# Altium PCB Diff_to_SingleEnded.PcbDoc (part 1 of 2) (continued)
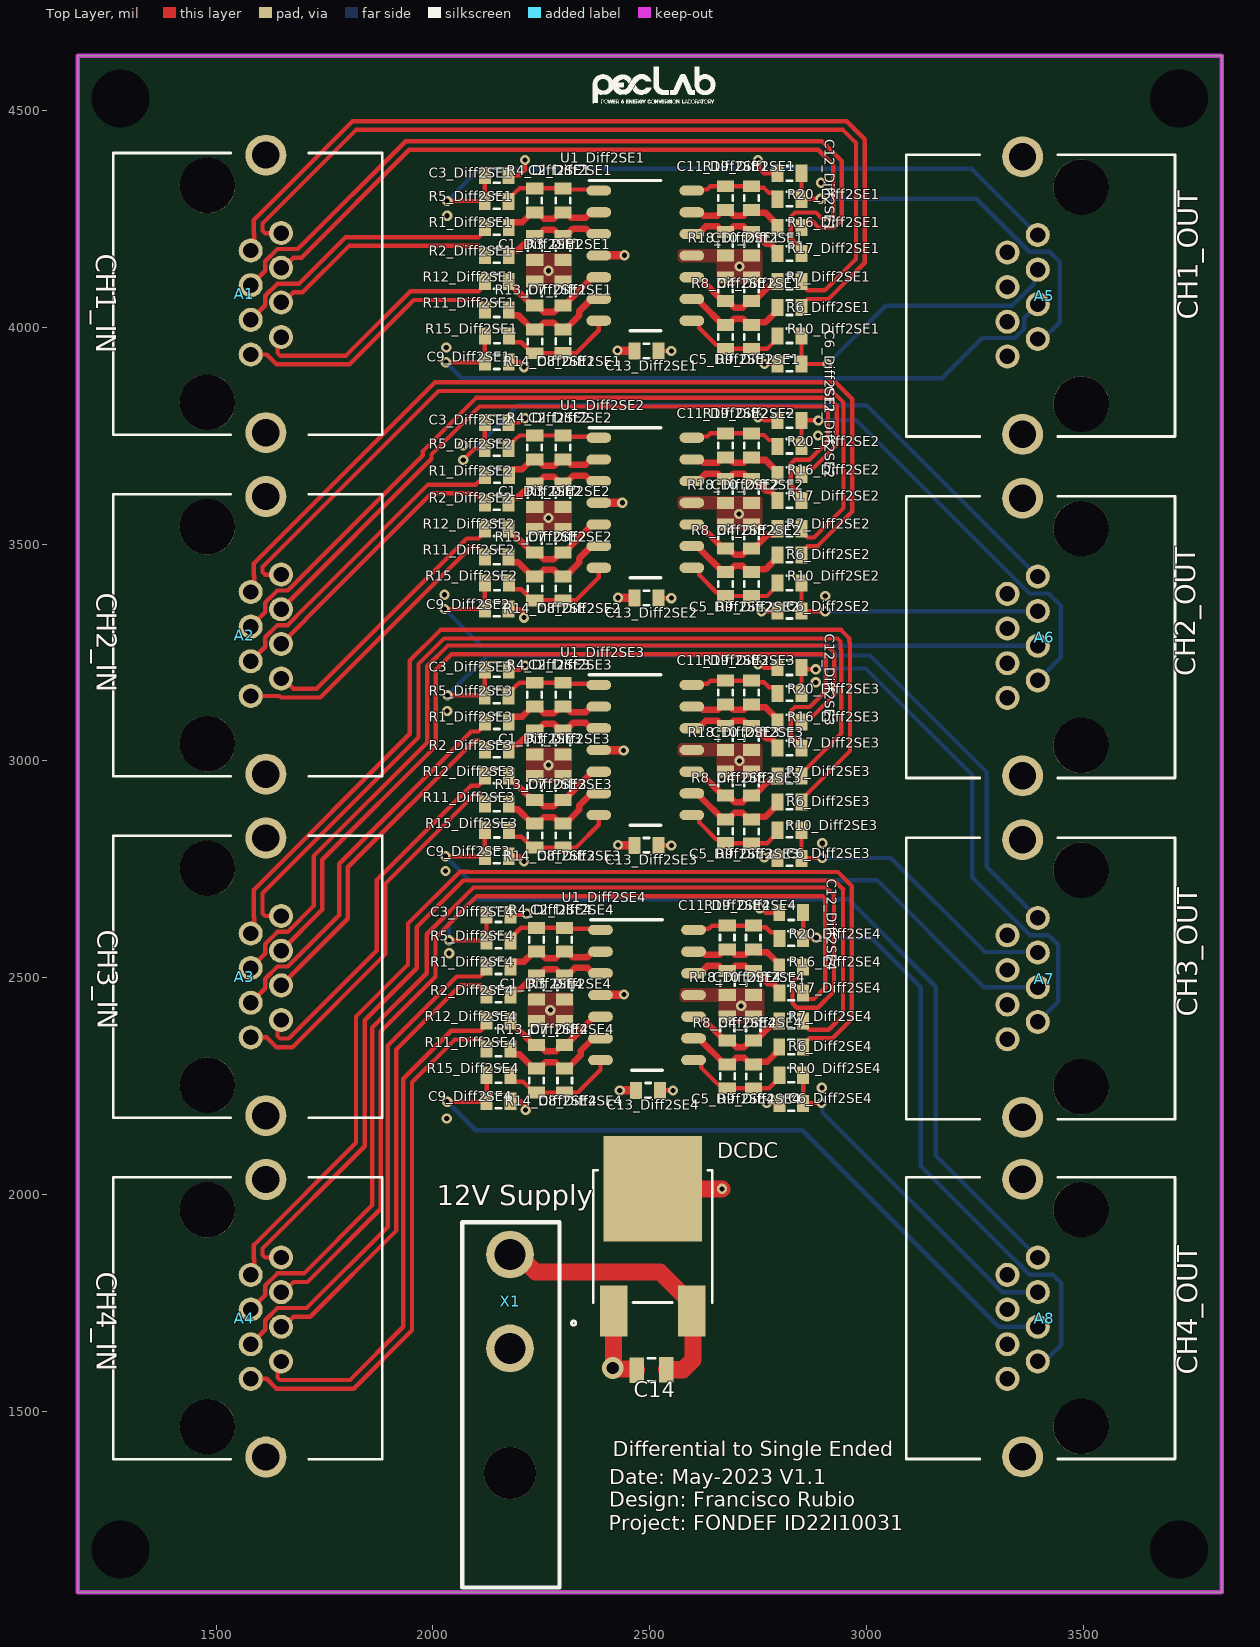
[diagram p0: Top Layer view]
## Classes and differential pairs (continued)
differential pair ADC_INA_1: +ADC_INA+_1 -ADC_INA-_1
differential pair CH4: +NetC10_Diff2SE1_1 -NetC11_Diff2SE1_1
differential pair CH3: +NetC8_Diff2SE1_1 -NetC7_Diff2SE1_1
differential pair CH2: +NetC5_Diff2SE1_1 -NetC4_Diff2SE1_1
differential pair CH1: +NetC1_Diff2SE1_1 -NetC2_Diff2SE1_1

## Components (designator, comment, footprint, x,y, rotation, side; value= is the part's Value field where it differs from the comment)
A1 "RJ-45 Modulo" RJ45_RJHSE5E80 1580,3937.01 r270 top
A2 "RJ-45 Modulo" RJ45_RJHSE5E80 1580,3149.61 r270 top
A3 "RJ-45 Modulo" RJ45_RJHSE5E80 1580,2362.2 r270 top
A4 "RJ-45 Modulo" RJ45_RJHSE5E80 1580,1574.8 r270 top
A5 "RJ-45 Modulo" RJ45_RJHSE5E80 3395,4212.6 r90 top
A6 "RJ-45 Modulo" RJ45_RJHSE5E80 3395,3425.2 r90 top
A7 "RJ-45 Modulo" RJ45_RJHSE5E80 3395,2637.8 r90 top
A8 "RJ-45 Modulo" RJ45_RJHSE5E80 3395,1854.8 r90 top
C1_Diff2SE1 "100nF" CAP_0603 2235,4210 r0 top (schematic designator C1)
C1_Diff2SE2 "100nF" CAP_0603 2235,3640.12 r0 top (schematic designator C1)
C1_Diff2SE3 "100nF" CAP_0603 2235,3070 r0 top (schematic designator C1)
C1_Diff2SE4 "100nF" CAP_0603 2239,2505 r0 top (schematic designator C1)
C2_Diff2SE1 "100nF" CAP_0603 2300,4264.88 r180 top (schematic designator C2)
C2_Diff2SE2 "100nF" CAP_0603 2300,3695 r180 top (schematic designator C2)
C2_Diff2SE3 "100nF" CAP_0603 2300,3124.88 r180 top (schematic designator C2)
C2_Diff2SE4 "100nF" CAP_0603 2304,2559.88 r180 top (schematic designator C2)
C3_Diff2SE1 "100nF" CAP_0603 2119.82,4349.94 r90 top (schematic designator C3)
C3_Diff2SE2 "100nF" CAP_0603 2119.88,3780.12 r90 top (schematic designator C3)
C3_Diff2SE3 "100nF" CAP_0603 2119.88,3210 r90 top (schematic designator C3)
C3_Diff2SE4 "100nF" CAP_0603 2123.88,2645 r90 top (schematic designator C3)
C4_Diff2SE1 "100nF" CAP_0603 2735,4060 r180 top (schematic designator C4)
C4_Diff2SE2 "100nF" CAP_0603 2735,3490.12 r180 top (schematic designator C4)
C4_Diff2SE3 "100nF" CAP_0603 2735,2920 r180 top (schematic designator C4)
C4_Diff2SE4 "100nF" CAP_0603 2739,2355 r180 top (schematic designator C4)
C5_Diff2SE1 "100nF" CAP_0603 2675,4005.12 r0 top (schematic designator C5)
C5_Diff2SE2 "100nF" CAP_0603 2675,3435.24 r0 top (schematic designator C5)
C5_Diff2SE3 "100nF" CAP_0603 2675,2865.12 r0 top (schematic designator C5)
C5_Diff2SE4 "100nF" CAP_0603 2679,2300.12 r0 top (schematic designator C5)
C6_Diff2SE1 "100nF" CAP_0603 2850,3915 r270 top (schematic designator C6)
C6_Diff2SE2 "100nF" CAP_0603 2850,3345.12 r270 top (schematic designator C6)
C6_Diff2SE3 "100nF" CAP_0603 2850,2775 r270 top (schematic designator C6)
C6_Diff2SE4 "100nF" CAP_0603 2854.06,2210.06 r270 top (schematic designator C6)
C7_Diff2SE1 "100nF" CAP_0603 2300,4049.88 r180 top (schematic designator C7)
C7_Diff2SE2 "100nF" CAP_0603 2300,3480 r180 top (schematic designator C7)
C7_Diff2SE3 "100nF" CAP_0603 2300,2909.88 r180 top (schematic designator C7)
C7_Diff2SE4 "100nF" CAP_0603 2304,2344.88 r180 top (schematic designator C7)
C8_Diff2SE1 "100nF" CAP_0603 2300,3995.12 r0 top (schematic designator C8)
C8_Diff2SE2 "100nF" CAP_0603 2300,3425.24 r0 top (schematic designator C8)
C8_Diff2SE3 "100nF" CAP_0603 2300,2855.12 r0 top (schematic designator C8)
C8_Diff2SE4 "100nF" CAP_0603 2304,2290.12 r0 top (schematic designator C8)
C9_Diff2SE1 "100nF" CAP_0603 2119.88,3920 r90 top (schematic designator C9)
C9_Diff2SE2 "100nF" CAP_0603 2119.88,3350.12 r90 top (schematic designator C9)
C9_Diff2SE3 "100nF" CAP_0603 2119.88,2780 r90 top (schematic designator C9)
C9_Diff2SE4 "100nF" CAP_0603 2123.88,2215 r90 top (schematic designator C9)
C10_Diff2SE1 "100nF" CAP_0603 2735,4220 r0 top (schematic designator C10)
C10_Diff2SE2 "100nF" CAP_0603 2735,3650.12 r0 top (schematic designator C10)
C10_Diff2SE3 "100nF" CAP_0603 2735,3080 r0 top (schematic designator C10)
C10_Diff2SE4 "100nF" CAP_0603 2739,2515 r0 top (schematic designator C10)
C11_Diff2SE1 "100nF" CAP_0603 2675,4269.88 r180 top (schematic designator C11)
C11_Diff2SE2 "100nF" CAP_0603 2675,3700 r180 top (schematic designator C11)
C11_Diff2SE3 "100nF" CAP_0603 2675,3129.88 r180 top (schematic designator C11)
C11_Diff2SE4 "100nF" CAP_0603 2679,2564.88 r180 top (schematic designator C11)
C12_Diff2SE1 "100nF" CAP_0603 2850,4355 r270 top (schematic designator C12)
C12_Diff2SE2 "100nF" CAP_0603 2850,3785.12 r270 top (schematic designator C12)
C12_Diff2SE3 "100nF" CAP_0603 2850,3215 r270 top (schematic designator C12)
C12_Diff2SE4 "100nF" CAP_0603 2854,2650 r270 top (schematic designator C12)
C13_Diff2SE1 "100nF" CAP_0603 2465,3945 r90 top (schematic designator C13)
C13_Diff2SE2 "100nF" CAP_0603 2465,3375.12 r90 top (schematic designator C13)
C13_Diff2SE3 "100nF" CAP_0603 2465,2805 r90 top (schematic designator C13)
C13_Diff2SE4 "100nF" CAP_0603 2469,2240 r90 top (schematic designator C13)
C14 "100nF" CAP_0805 2538.5,1595.79 r270 top
DCDC "NCP1117DT50G" DPAK_ONS 2507,1903.5 r0 top
R1_Diff2SE1 "10k" RES_0603 2119.88,4230 r90 top (schematic designator R1)
R1_Diff2SE2 "10k" RES_0603 2120,3658 r90 top (schematic designator R1)
R1_Diff2SE3 "10k" RES_0603 2119.88,3090 r90 top (schematic designator R1)
R1_Diff2SE4 "10k" RES_0603 2123.88,2525 r90 top (schematic designator R1)
R2_Diff2SE1 "10k" RES_0603 2119.88,4165 r90 top (schematic designator R2)
R2_Diff2SE2 "10k" RES_0603 2119.88,3595.12 r90 top (schematic designator R2)
R2_Diff2SE3 "10k" RES_0603 2119.88,3025 r90 top (schematic designator R2)
R2_Diff2SE4 "10k" RES_0603 2123.88,2460 r90 top (schematic designator R2)
R3_Diff2SE1 "10k" RES_0603 2300,4210 r0 top (schematic designator R3)
R3_Diff2SE2 "10k" RES_0603 2300,3640.12 r0 top (schematic designator R3)
R3_Diff2SE3 "10k" RES_0603 2300,3070 r0 top (schematic designator R3)
R3_Diff2SE4 "10k" RES_0603 2304,2505 r0 top (schematic designator R3)
R4_Diff2SE1 "10k" RES_0603 2235,4264.88 r180 top (schematic designator R4)
R4_Diff2SE2 "10k" RES_0603 2235,3695 r180 top (schematic designator R4)
R4_Diff2SE3 "10k" RES_0603 2235,3124.88 r180 top (schematic designator R4)
R4_Diff2SE4 "10k" RES_0603 2239,2559.88 r180 top (schematic designator R4)
R5_Diff2SE1 "10k" RES_0603 2174.88,4290 r270 top (schematic designator R5)
R5_Diff2SE2 "10k" RES_0603 2174.88,3720.12 r270 top (schematic designator R5)
R5_Diff2SE3 "10k" RES_0603 2174.88,3150 r270 top (schematic designator R5)
R5_Diff2SE4 "10k" RES_0603 2178.88,2585 r270 top (schematic designator R5)
R6_Diff2SE1 "10k" RES_0603 2850,4045 r270 top (schematic designator R6)
R6_Diff2SE2 "10k" RES_0603 2850,3475.12 r270 top (schematic designator R6)
R6_Diff2SE3 "10k" RES_0603 2850,2905 r270 top (schematic designator R6)
R6_Diff2SE4 "10k" RES_0603 2854,2340 r270 top (schematic designator R6)
R7_Diff2SE1 "10k" RES_0603 2850,4105 r270 top (schematic designator R7)
R7_Diff2SE2 "10k" RES_0603 2850,3535.12 r270 top (schematic designator R7)
R7_Diff2SE3 "10k" RES_0603 2850,2965 r270 top (schematic designator R7)
R7_Diff2SE4 "10k" RES_0603 2854,2400 r270 top (schematic designator R7)
R8_Diff2SE1 "10k" RES_0603 2675,4060 r180 top (schematic designator R8)
R8_Diff2SE2 "10k" RES_0603 2675,3490.12 r180 top (schematic designator R8)
R8_Diff2SE3 "10k" RES_0603 2675,2920 r180 top (schematic designator R8)
R8_Diff2SE4 "10k" RES_0603 2679,2355 r180 top (schematic designator R8)
R9_Diff2SE1 "10k" RES_0603 2735,4005 r0 top (schematic designator R9)
R9_Diff2SE2 "10k" RES_0603 2735,3435.12 r0 top (schematic designator R9)
R9_Diff2SE3 "10k" RES_0603 2735,2865 r0 top (schematic designator R9)
R9_Diff2SE4 "10k" RES_0603 2739,2300 r0 top (schematic designator R9)
R10_Diff2SE1 "10k" RES_0603 2795,3980 r90 top (schematic designator R10)
R10_Diff2SE2 "10k" RES_0603 2795,3410.12 r90 top (schematic designator R10)
R10_Diff2SE3 "10k" RES_0603 2795,2840 r90 top (schematic designator R10)
R10_Diff2SE4 "10k" RES_0603 2799,2275 r90 top (schematic designator R10)
R11_Diff2SE1 "10k" RES_0603 2119.88,4040 r90 top (schematic designator R11)
R11_Diff2SE2 "10k" RES_0603 2119.88,3470.12 r90 top (schematic designator R11)
R11_Diff2SE3 "10k" RES_0603 2119.88,2900 r90 top (schematic designator R11)
R11_Diff2SE4 "10k" RES_0603 2123.88,2335 r90 top (schematic designator R11)
R12_Diff2SE1 "10k" RES_0603 2119.88,4105 r90 top (schematic designator R12)
R12_Diff2SE2 "10k" RES_0603 2119.88,3535.12 r90 top (schematic designator R12)
R12_Diff2SE3 "10k" RES_0603 2119.88,2965 r90 top (schematic designator R12)
R12_Diff2SE4 "10k" RES_0603 2123.88,2400 r90 top (schematic designator R12)
R13_Diff2SE1 "10k" RES_0603 2235,4049.88 r180 top (schematic designator R13)
R13_Diff2SE2 "10k" RES_0603 2235,3480 r180 top (schematic designator R13)
R13_Diff2SE3 "10k" RES_0603 2235,2909.88 r180 top (schematic designator R13)
R13_Diff2SE4 "10k" RES_0603 2239,2344.88 r180 top (schematic designator R13)
R14_Diff2SE1 "10k" RES_0603 2235,3995 r0 top (schematic designator R14)
R14_Diff2SE2 "10k" RES_0603 2235,3425.12 r0 top (schematic designator R14)
R14_Diff2SE3 "10k" RES_0603 2235.06,2855.06 r0 top (schematic designator R14)
R14_Diff2SE4 "10k" RES_0603 2239,2290 r0 top (schematic designator R14)
R15_Diff2SE1 "10k" RES_0603 2175.12,3980 r270 top (schematic designator R15)
R15_Diff2SE2 "10k" RES_0603 2175.12,3410.12 r270 top (schematic designator R15)
R15_Diff2SE3 "10k" RES_0603 2175.12,2840 r270 top (schematic designator R15)
R15_Diff2SE4 "10k" RES_0603 2179.12,2275 r270 top (schematic designator R15)
R16_Diff2SE1 "10k" RES_0603 2850,4230 r270 top (schematic designator R16)
R16_Diff2SE2 "10k" RES_0603 2850,3660.12 r270 top (schematic designator R16)
R16_Diff2SE3 "10k" RES_0603 2850,3090 r270 top (schematic designator R16)
R16_Diff2SE4 "10k" RES_0603 2854,2525 r270 top (schematic designator R16)
R17_Diff2SE1 "10k" RES_0603 2850.12,4170 r270 top (schematic designator R17)
R17_Diff2SE2 "10k" RES_0603 2850.12,3600.12 r270 top (schematic designator R17)
R17_Diff2SE3 "10k" RES_0603 2850.12,3030 r270 top (schematic designator R17)
R17_Diff2SE4 "10k" RES_0603 2854.12,2465 r270 top (schematic designator R17)
R18_Diff2SE1 "10k" RES_0603 2675,4220 r0 top (schematic designator R18)
R18_Diff2SE2 "10k" RES_0603 2675,3650.12 r0 top (schematic designator R18)
R18_Diff2SE3 "10k" RES_0603 2675,3080 r0 top (schematic designator R18)
R18_Diff2SE4 "10k" RES_0603 2679,2515 r0 top (schematic designator R18)
R19_Diff2SE1 "10k" RES_0603 2735,4269.88 r180 top (schematic designator R19)
R19_Diff2SE2 "10k" RES_0603 2735,3700 r180 top (schematic designator R19)
R19_Diff2SE3 "10k" RES_0603 2735,3129.88 r180 top (schematic designator R19)
R19_Diff2SE4 "10k" RES_0603 2739,2564.88 r180 top (schematic designator R19)
R20_Diff2SE1 "10k" RES_0603 2795,4295 r90 top (schematic designator R20)
R20_Diff2SE2 "10k" RES_0603 2795,3725.12 r90 top (schematic designator R20)
R20_Diff2SE3 "10k" RES_0603 2795,3155 r90 top (schematic designator R20)
R20_Diff2SE4 "10k" RES_0603 2799,2590 r90 top (schematic designator R20)
U1_Diff2SE1 "TLV9064IDR" D0014A_N 2490,4165 r0 top (schematic designator U1)
U1_Diff2SE2 "TLV9064IDR" D0014A_N 2490,3595.12 r0 top (schematic designator U1)
U1_Diff2SE3 "TLV9064IDR" D0014A_N 2490,3025 r0 top (schematic designator U1)
U1_Diff2SE4 "TLV9064IDR" D0014A_N 2494,2460 r0 top (schematic designator U1)
X1 "Connector 2x1 R/A" CON_WR-MPC4-649002227222 2178,1861.54 r0 top

## Footprints (in the part's own frame and the unit in brackets; to place one, negate y for a bottom-side part, rotate by r counter-clockwise, add the part's x,y. Pads: shape width x height; smd on the part's side, far side on the other; paste and mask are expansions set on the pad)
CAP_0603 [mm] "CAP CER 0603"
  rect 1x0.7 smd: 1(0,0) 2(0,-1.4)
  silkscreen extent -0.42,-0.86 0.43,-0.54, body extent -0.4,-1.49 0.4,0.11, height 0.3
CAP_0805 [mm] "CAP CER 0805"
  rect 1.5x0.85 smd: 1(0,0) 2(0.02,-1.74)
  silkscreen extent -0.67,-1.08 0.67,-0.64, body extent -0.63,-1.89 0.62,0.11, height 0.78
CON_WR-MPC4-649002227222 [mm] "CONN HEADER R/A 2POS 4.2MM"
  round 2.8 hole 1.8: 1(0,0) 2(0,-5.5)
  silkscreen extent -2.8,-19.5 2.9,1.9, body extent -2.8,-19.47 2.9,0.5, height 11.4
D0014A_N [mm]
  oval 1.45x0.6 smd paste+0 mask+0: 1(-2.725,3.81) 2(-2.725,2.54) 3(-2.725,1.27) 4(-2.725,0) 5(-2.725,-1.27) 6(-2.725,-2.54) 7(-2.725,-3.81) 8(2.725,-3.81) 9(2.725,-2.54) 10(2.725,-1.27) 11(2.725,0) 12(2.725,1.27) 13(2.725,2.54) 14(2.725,3.81)
  silkscreen extent -3.3,-4.4 0.9,4.4, body extent -3.03,-4.35 2.97,4.3, height 1.75
DPAK_ONS [mil]
  rect 63x118 smd paste-59 mask-59: 1(-90,-172.5) 3(90,-172.5)
  rect 228x244 smd paste-122 mask-122: 2(0,109.5)
  silkscreen extent -187,-205 138,152, body extent -128,-196 128,194, height 94
RES_0603 [mm] "RES 0603"
  rect 1x0.7 smd: 1(0,0) 2(0,-1.4)
  silkscreen extent -0.42,-0.86 0.43,-0.54, body extent -0.39,-1.49 0.41,0.11, height 0.45
RJ45_RJHSE5E80 [mm] "Modulo RJ-45 RJHSE5E80"
  round 1.408 hole 0.9: 1(0,0) 2(-1.02,1.78) 3(-2.03,0) 4(-3.05,1.78) 5(-4.06,0) 6(-5.08,1.78) 7(-6.09,0) 8(-7.11,1.78)
  round 2.4 hole 1.6: ""(-11.68,0.89) ""(4.58,0.89)
  round 3.25 hole 3.25 unplated: ""(-9.9,-2.54) ""(2.8,-2.54)
  silkscreen extent -11.81,-8.04 4.7,7.71, body extent -11.95,-8.24 4.88,7.96, height 14.77

## Part data
A1 A2 A3 A4 A5 A6 A7 A8: library part RJ45_RJHSE5E80, "Modulo RJ-45 RJHSE5E80", Color=Black, Current Rating=1.5A, Flammability Rating="UL94 V-0", Insulation Resistance=500MR, Manufacturer="Amphenol Commercial", Manufacturer Part Number=RJHSE5E80, Manufacturer Part-Number=1-338088-3, Max Operating Temperature=85°C, Min Operating Temperature=-55°C, Package Quantity=120, Supplier Part Number 1=RJHSE5E80-ND, Voltage Rating=125V, ComponentLink1Description=http://www.mouser.com/ds/2/18/Amphenol_RJHSE_BRO-311217.pdf?src-supplier=Mouser, ComponentLink1URL=http://www.mouser.com/ds/2/18/Amphenol_RJHSE_BRO-311217.pdf?src-supplier=Mouser, ComponentLink2Description=https://media.digikey.com/pdf/Data%20Sheets/Amphenol%20PDFs/RJHSE5E8x_Dwg.pdf?src-supplier=Digi-Key, ComponentLink2URL=https://media.digikey.com/pdf/Data%20Sheets/Amphenol%20PDFs/RJHSE5E8x_Dwg.pdf?src-supplier=Digi-Key, Connector Type=Jack, Contact Material=Bronze, Contact Plating=Gold, Digikey Part-Number=A99306CT-ND, Direction=Up, Gender=Female, Housing Material=Thermoplastic, LatestRevisionDate=17-Jul-2002, LatestRevisionNote="Re-released for DXP Platform.", Mount="Through Hole", Number of Contacts=8, Number of Ports=1, Number of Positions=8, Number of Rows=1, Orientation="Right Angle", Packaging=Tray, Pitch=2.03mm, Pricing 1="1=1.28, 10=1.125, 25=1.0584, 50=1.0144, 100=0.9702, 250=0.882, 500=0.7938, 1000=0.7056, 2500=0.63945 (USD)", Publisher="Altium Limited", Shielding=Shielded, Stock 1=16396, Supplier 1=Digi-Key, Termination=Solder
C1_Diff2SE1 C1_Diff2SE2 C1_Diff2SE3 C1_Diff2SE4 C2_Diff2SE1 C2_Diff2SE2 C2_Diff2SE3 C2_Diff2SE4 C3_Diff2SE1 C3_Diff2SE2 C3_Diff2SE3 C3_Diff2SE4 C4_Diff2SE1 C4_Diff2SE2 C4_Diff2SE3 C4_Diff2SE4 C5_Diff2SE1 C5_Diff2SE2 C5_Diff2SE3 C5_Diff2SE4 C6_Diff2SE1 C6_Diff2SE2 C6_Diff2SE3 C6_Diff2SE4 C7_Diff2SE1 C7_Diff2SE2 C7_Diff2SE3 C7_Diff2SE4 C8_Diff2SE1 C8_Diff2SE2 C8_Diff2SE3 C8_Diff2SE4 C9_Diff2SE1 C9_Diff2SE2 C9_Diff2SE3 C9_Diff2SE4 C10_Diff2SE1 C10_Diff2SE2 C10_Diff2SE3 C10_Diff2SE4 C11_Diff2SE1 C11_Diff2SE2 C11_Diff2SE3 C11_Diff2SE4 C12_Diff2SE1 C12_Diff2SE2 C12_Diff2SE3 C12_Diff2SE4 C13_Diff2SE1 C13_Diff2SE2 C13_Diff2SE3 C13_Diff2SE4: library part Cap_0603, "0.1µF ±10% 50V Ceramic Capacitor X7R 0603 (1608 Metric)", Package=0603, Supplier Part Number 1=399-5089-1-ND, Created=2020_06_15_DAarancibia, MF=KEMET, MFP=C0603C104K5RACTU, Supplier 1=Digi-Key
C14: library part Cap_0805, "0.1µF ±10% 50V Ceramic Capacitor X7R 0805 (2012 Metric)", Package=0805, Supplier Part Number 1=399-1170-1-ND, Created=2020_06_15_DAarancibia, MF=KEMET, MFP=C0805C104K5RACTU, Supplier 1=Digi-Key
DCDC: "No Description Available", Mfr_Name=onsemi, RefDes=RefDes, Type=Type
R1_Diff2SE1 R1_Diff2SE2 R1_Diff2SE3 R1_Diff2SE4 R2_Diff2SE1 R2_Diff2SE2 R2_Diff2SE3 R2_Diff2SE4 R3_Diff2SE1 R3_Diff2SE2 R3_Diff2SE3 R3_Diff2SE4 R4_Diff2SE1 R4_Diff2SE2 R4_Diff2SE3 R4_Diff2SE4 R5_Diff2SE1 R5_Diff2SE2 R5_Diff2SE3 R5_Diff2SE4 R6_Diff2SE1 R6_Diff2SE2 R6_Diff2SE3 R6_Diff2SE4 R7_Diff2SE1 R7_Diff2SE2 R7_Diff2SE3 R7_Diff2SE4 R8_Diff2SE1 R8_Diff2SE2 R8_Diff2SE3 R8_Diff2SE4 R9_Diff2SE1 R9_Diff2SE2 R9_Diff2SE3 R9_Diff2SE4 R10_Diff2SE1 R10_Diff2SE2 R10_Diff2SE3 R10_Diff2SE4 R11_Diff2SE1 R11_Diff2SE2 R11_Diff2SE3 R11_Diff2SE4 R12_Diff2SE1 R12_Diff2SE2 R12_Diff2SE3 R12_Diff2SE4 R13_Diff2SE1 R13_Diff2SE2 R13_Diff2SE3 R13_Diff2SE4 R14_Diff2SE1 R14_Diff2SE2 R14_Diff2SE3 R14_Diff2SE4 R15_Diff2SE1 R15_Diff2SE2 R15_Diff2SE3 R15_Diff2SE4 R16_Diff2SE1 R16_Diff2SE2 R16_Diff2SE3 R16_Diff2SE4 R17_Diff2SE1 R17_Diff2SE2 R17_Diff2SE3 R17_Diff2SE4 R18_Diff2SE1 R18_Diff2SE2 R18_Diff2SE3 R18_Diff2SE4 R19_Diff2SE1 R19_Diff2SE2 R19_Diff2SE3 R19_Diff2SE4 R20_Diff2SE1 R20_Diff2SE2 R20_Diff2SE3 R20_Diff2SE4: library part Res_0603, "10 kOhms ±1% 0.1W, 1/10W Chip Resistor 0402 (1005 Metric) Anti-Sulfur, Automotive AEC-Q200 Thick Film", Package=0603, Supplier Part Number 1=P10.0KHCT-ND, Created=2020_06_15_DAarancibia, MF="Panasonic Electronic Components", MFP=ERJ-3EKF1002V, Supplier 1=Digi-Key
U1_Diff2SE1 U1_Diff2SE2 U1_Diff2SE3 U1_Diff2SE4: "No Description Available", Mfr_Name="Texas Instruments", RefDes=RefDes, Type=TYPE
X1: library part Con_WR-MPC4_2x1, "Connector Header Through Hole, Right Angle 2 position 0.165\" (4.20mm)", MPN=649002227222, Package="Through Hole, pitch 0.165\" (4.20mm)", Supplier Part Number 1=732-1937-ND, Created=2020_06_14_DArancibia, MF="Würth Elektronik", Supplier 1=Digi-Key

## Free pads (board coordinates)
  round 60 hole 133.86: 1(1279.53,1181.1) 1(1279.53,4527.56) 1(3720.47,1181.1) 1(3720.47,4527.56)

## Via types
v1: diameter 23.62, hole 11.81, Top Layer to Bottom Layer, 67 vias
v2: diameter 50, hole 28, Top Layer to Bottom Layer, 1 vias
v3: diameter 120.08, hole 120.08, Top Layer to Bottom Layer, 1 vias

## Nets (pads, with @x,y where several pads share a name; then routed paths per layer and width w, separated by ;. In a path a pad name is that pad's centre, name@x,y a point inside that pad or via, vN(x,y) a via of type N, cw(c..) or ccw(c..) an arc to the next point about the centre after c; other vN are vias at no path point)
5V: C13_Diff2SE1.1 C13_Diff2SE2.1 C13_Diff2SE3.1 C13_Diff2SE4.1 DCDC.2 U1_Diff2SE1.4 U1_Diff2SE2.4 U1_Diff2SE3.4 U1_Diff2SE4.4 | length 540.6
  Top Layer w19.68: U1_Diff2SE3.4@2382.72,3025 2383.22,3024.5 2439.5,3024.5 v1(2440,3024) ; U1_Diff2SE2.4@2382.72,3595.12 2382.78,3595.06 2436.94,3595.06 v1(2437,3595) ; U1_Diff2SE1.4@2382.72,4165 2383.22,4165.5 2441.5,4165.5 v1(2442,4166) ; U1_Diff2SE4.4@2386.72,2460 2387.22,2460.5 2440.5,2460.5 v1(2441,2461) ; v1(2426,3946) 2426.5,3945.5 2464.5,3945.5 C13_Diff2SE1.1@2465,3945 ; v1(2427,2806) 2427.5,2805.5 2464.5,2805.5 C13_Diff2SE3.1@2465,2805 ; v1(2427,3376) 2427.44,3375.56 2464.56,3375.56 C13_Diff2SE2.1@2465,3375.12 ; v1(2431,2240) C13_Diff2SE4.1@2469,2240
  Top Layer w39.37: DCDC.2@2507,2013 v1(2667,2013)
12V: C14.1 DCDC.3 X1.1 | length 667.5
  Top Layer w39.37: X1.1@2178,1861.54 2195.96,1861.54 2236.5,1821 2524,1821 2600,1745 2600,1717.5 2600,1618.85 2576.94,1595.79 C14.1@2538.5,1595.79
ADC_INA+_1: A1.1 R11_Diff2SE1.1 | length 624.5
  Top Layer w10: A1.1@1580,3937.01 1580.07,3937.08 1616.86,3937.08 1639.49,3914.45 1808.09,3914.45 1956.14,4062.5 2105.24,4062.5 2111.1,4056.64 2111.1,4048.78 R11_Diff2SE1.1@2119.88,4040
ADC_INA+_2: A2.1 R11_Diff2SE2.1 | length 698.7
  Top Layer w10: A2.1@1580,3149.61 1580.07,3149.68 1646.38,3149.68 1649.83,3146.22 1740.21,3146.22 2086.61,3492.62 2105.24,3492.62 2111.1,3486.76 2111.1,3478.9 R11_Diff2SE2.1@2119.88,3470.12
ADC_INA+_3: A3.1 R11_Diff2SE3.1 | length 899.9
  Top Layer w10: A3.1@1580,2362.2 1580.07,2362.27 1616.86,2362.27 1639.49,2339.65 1676.06,2339.65 1890.81,2554.4 1890.81,2717.03 2096.28,2922.5 2105.24,2922.5 2111.1,2916.64 2111.1,2908.78 R11_Diff2SE3.1@2119.88,2900
ADC_INA+_4: A4.1 R11_Diff2SE4.1 | length 1235.8
  Top Layer w10: A4.1@1580,1574.8 1580.07,1574.87 1616.86,1574.87 1639.49,1552.24 1817.53,1552.24 1952,1686.72 1952,2258.72 2050.78,2357.5 2109.24,2357.5 2115.1,2351.64 2115.1,2343.78 R11_Diff2SE4.1@2123.88,2335
ADC_INA-_1: A1.2 R12_Diff2SE1.1 | length 595.9
  Top Layer w10: A1.2@1650.08,3977.17 1641.91,3969 1641.91,3940.31 1647.77,3934.45 1799.8,3934.45 1947.85,4082.5 2105.24,4082.5 2111.1,4088.36 2111.1,4096.22 R12_Diff2SE1.1@2119.88,4105
ADC_INA-_2: A2.2 R12_Diff2SE2.1 | length 637
  Top Layer w10: A2.2@1650.08,3189.76 1655.11,3189.76 1678.65,3166.22 1731.93,3166.22 2078.32,3512.62 2105.24,3512.62 2111.1,3518.48 2111.1,3526.34 R12_Diff2SE2.1@2119.88,3535.12
ADC_INA-_3: A3.2 R12_Diff2SE3.1 | length 871.3
  Top Layer w10: A3.2@1650.08,2402.36 1641.91,2394.2 1641.91,2365.5 1647.77,2359.65 1667.77,2359.65 1870.81,2562.69 1870.81,2725.32 2087.99,2942.5 2105.24,2942.5 2111.1,2948.36 2111.1,2956.22 R12_Diff2SE3.1@2119.88,2965
ADC_INA-_4: A4.2 R12_Diff2SE4.1 | length 1208.2
  Top Layer w10: A4.2@1650.08,1614.96 1641.91,1606.8 1641.91,1578.1 1647.77,1572.24 1809.24,1572.24 1932,1695 1932,2267 2042.5,2377.5 ; 2041.5,2377.5 2109.24,2377.5 2115.1,2383.36 2115.1,2391.22 R12_Diff2SE4.1@2123.88,2400
ADC_INB+_1: A1.3 R1_Diff2SE1.1 | length 645.6
  Top Layer w10: A1.3@1580,4016.93 1613.43,4050.35 1613.43,4072.27 1641.51,4100.35 1691.35,4100.35 1798.5,4207.5 2105.24,4207.5 2111.1,4213.36 2111.1,4221.22 R1_Diff2SE1.1@2119.88,4230
ADC_INB+_2: A2.3 R1_Diff2SE2.1 | length 734.1
  Top Layer w10: A2.3@1580,3229.53 1613.43,3262.95 1613.43,3284.87 1641.51,3312.95 1665.26,3312.95 1686.73,3334.42 1686.73,3335.02 1988.72,3637 2099,3637 2105.31,3643.32 2111.22,3643.32 2120,3652.09 R1_Diff2SE2.1@2120,3658
ADC_INB+_3: A3.3 R1_Diff2SE3.1 | length 895.1
  Top Layer w10: A3.3@1580,2442.13 1613.43,2475.55 1613.43,2497.47 1641.51,2525.55 1665.26,2525.55 1784,2644.29 1784,2762.82 2088.68,3067.5 2105.24,3067.5 2111.1,3073.36 2111.1,3081.22 R1_Diff2SE3.1@2119.88,3090
ADC_INB+_4: A4.3 R1_Diff2SE4.1 | length 1166.7
  Top Layer w10: A4.3@1580,1654.72 1613.43,1688.15 1613.43,1710.06 1641.51,1738.15 1708.87,1738.15 1896,1925.28 1896,2343.28 2055.22,2502.5 2109.24,2502.5 2115.1,2508.36 2115.1,2516.22 R1_Diff2SE4.1@2123.88,2525
ADC_INB-_1: A1.4 R2_Diff2SE1.1 | length 537.7
  Top Layer w10: A1.4@1650.08,4057.09 1655.39,4057.09 1678.65,4080.35 1699.64,4080.35 1806.78,4187.5 2105.24,4187.5 2111.1,4181.64 2111.1,4173.78 R2_Diff2SE1.1@2119.88,4165
ADC_INB-_2: A2.4 R2_Diff2SE2.1 | length 626.5
  Top Layer w10: A2.4@1650.08,3269.69 1650.28,3269.69 1706.73,3326.14 1706.73,3326.73 1997,3617 2098,3617 2105.2,3609.8 2111.1,3609.8 2119.88,3601.02 R2_Diff2SE2.1@2119.88,3595.12
ADC_INB-_3: A3.4 R2_Diff2SE3.1 | length 787.3
  Top Layer w10: A3.4@1650.08,2482.28 1650.28,2482.28 1804,2636.01 1804,2754.54 2096.96,3047.5 2105.24,3047.5 2111.1,3041.64 2111.1,3033.78 R2_Diff2SE3.1@2119.88,3025
ADC_INB-_4: A4.4 R2_Diff2SE4.1 | length 1058.8
  Top Layer w10: A4.4@1650.08,1694.88 1655.39,1694.88 1678.65,1718.15 1717.15,1718.15 1916,1917 1916,2335 2063.5,2482.5 2109.24,2482.5 2115.1,2476.64 2115.1,2468.78 R2_Diff2SE4.1@2123.88,2460
ADC_INC+_1: A1.5 R16_Diff2SE1.1 | length 1783.4
  Top Layer w10: A1.5@1580,4096.85 1613.43,4130.28 1613.43,4152.19 1641.51,4180.28 1688.67,4180.28 1937.39,4429 2897.28,4429 2943,4383.28 2943,4247.57 2925.43,4230 2889.3,4230 2874.98,4244.32 2858.78,4244.32 2850,4235.54 R16_Diff2SE1.1@2850,4230
ADC_INC+_2: A2.5 R16_Diff2SE2.1 | length 1798.9
  Top Layer w10: A2.5@1580,3309.45 1613.43,3342.87 1613.43,3364.79 1641.51,3392.87 1665.26,3392.87 1977.08,3704.69 1977.08,3714.62 2099.46,3837 2913.49,3837 2931.06,3819.43 2931.06,3728.76 2876.74,3674.43 2858.78,3674.43 2850,3665.65 R16_Diff2SE2.1@2850,3660.12
ADC_INC+_3: A3.5 R16_Diff2SE3.1 | length 2045.7
  Top Layer w10: A3.5@1580,2522.05 1613.43,2555.47 1613.43,2577.39 1641.51,2605.47 1665.26,2605.47 1725,2665.21 1725,2780.28 1987,3042.28 1987,3218.28 2034.72,3266 2908.43,3266 2926,3248.43 2926,3152.72 2877.6,3104.32 2858.78,3104.32 2850,3095.54 R16_Diff2SE3.1@2850,3090
ADC_INC+_4: A4.5 R16_Diff2SE4.1 | length 2492.6
  Top Layer w10: A4.5@1580,1734.65 1613.43,1768.07 1613.43,1789.99 1641.51,1818.07 1702.79,1818.07 1860,1975.28 1860,2384.28 1986,2510.28 1986,2600.28 2093.72,2708 2907.43,2708 2925,2690.43 2925,2468.3 2887.39,2430.69 2839.41,2430.69 2829.34,2440.76 2829.34,2489.24 2845.22,2505.12 2845.22,2516.22 R16_Diff2SE4.1@2854,2525
ADC_INC-_1: A1.6 R17_Diff2SE1.1 | length 1723.7
  Top Layer w10: A1.6@1650.08,4137.01 1655.39,4137.01 1678.65,4160.28 1696.95,4160.28 1945.68,4409 2889,4409 2923,4375 2923,4255.86 2917.14,4250 2897.58,4250 2883.27,4264.32 2835.29,4264.32 2825.22,4254.24 2825.22,4205.76 2841.34,4189.64 2841.34,4178.78 R17_Diff2SE1.1@2850.12,4170
ADC_INC-_2: A2.6 R17_Diff2SE2.1 | length 1739.1
  Top Layer w10: A2.6@1650.08,3349.61 1650.28,3349.61 1997.08,3696.41 1997.08,3706.34 2107.74,3817 2905.21,3817 2911.06,3811.14 2911.06,3737.04 2868.45,3694.43 2835.29,3694.43 2825.22,3684.36 2825.22,3635.88 2841.34,3619.76 2841.34,3608.9 R17_Diff2SE2.1@2850.12,3600.12
ADC_INC-_3: A3.6 R17_Diff2SE3.1 | length 1985.9
  Top Layer w10: A3.6@1650.08,2562.2 1650.28,2562.2 1745,2656.93 1745,2772 2007,3034 2007,3210 2043,3246 2900.14,3246 2906,3240.14 2906,3161 2869.32,3124.32 2835.29,3124.32 2825.22,3114.24 2825.22,3060.8 2850.12,3035.91 R17_Diff2SE3.1@2850.12,3030
ADC_INC-_4: A4.6 R17_Diff2SE4.1 | length 2204.3
  Top Layer w10: A4.6@1650.08,1774.8 1655.39,1774.8 1678.65,1798.07 1711.07,1798.07 1880,1967 1880,2376 2006,2502 2006,2592 2102,2688 2899.14,2688 2905,2682.14 2905,2476.58 2879.1,2450.69 2862.9,2450.69 2854.12,2459.46 R17_Diff2SE4.1@2854.12,2465
ADC_IND+_1: A1.7 R6_Diff2SE1.1 | length 2071.7
  Top Layer w10: A1.7@1580,4176.77 1588.16,4184.94 1588.16,4213.63 1587.36,4214.43 1587.36,4247.65 1814.72,4475 2954.28,4475 2996,4433.28 2996,4148.72 2912.28,4065 2864.09,4065 2850,4050.91 R6_Diff2SE1.1@2850,4045
ADC_IND+_2: A2.7 R6_Diff2SE2.1 | length 2059.8
  Top Layer w10: A2.7@1580,3389.37 1588.16,3397.53 1588.16,3426.23 1587.36,3427.03 1587.36,3455.51 2004.86,3873 2928.4,3873 2967.06,3834.34 2967.06,3574.88 2887.31,3495.12 2864.09,3495.12 2850,3481.02 R6_Diff2SE2.1@2850,3475.12
ADC_IND+_3: A3.7 R6_Diff2SE3.1 | length 2257.6
  Top Layer w10: A3.7@1580,2601.97 1588.16,2610.13 1588.16,2638.83 1587.36,2639.63 1587.36,2702.92 1947,3062.56 1947,3231.28 2017.72,3302 2941.43,3302 2960,3283.43 2960,3275.14 2962,3273.14 2962,3022.91 2850,2910.91 R6_Diff2SE3.1@2850,2905
ADC_IND+_4: A4.7 R6_Diff2SE4.1 | length 2496.3
  Top Layer w10: A4.7@1580,1814.57 1588.16,1822.73 1588.16,1851.43 1587.36,1852.23 1587.36,1883.72 1823,2119.36 1823,2410.28 1942.86,2530.14 1942.86,2624.86 2061.94,2743.94 2081.71,2743.94 2082.14,2743.5 2934.08,2743.5 2966,2711.58 2966,2404.72 2921.28,2360 2868.09,2360 2854,2345.91 R6_Diff2SE4.1@2854,2340
ADC_IND-_1: A1.8 R7_Diff2SE1.1 | length 1967.8
  Top Layer w10: A1.8@1650.08,4216.93 1650.01,4216.86 1613.22,4216.86 1607.36,4222.72 1607.36,4239.36 1823,4455 2946,4455 2976,4425 2976,4157 2904,4085 2864.09,4085 2850,4099.09 R7_Diff2SE1.1@2850,4105
ADC_IND-_2: A2.8 R7_Diff2SE2.1 | length 1955.9
  Top Layer w10: A2.8@1650.08,3429.53 1650.01,3429.46 1613.22,3429.46 1607.36,3435.32 1607.36,3447.22 2013.14,3853 2920.12,3853 2947.06,3826.05 2947.06,3583.16 2879.02,3515.12 2864.09,3515.12 2850,3529.21 R7_Diff2SE2.1@2850,3535.12
ADC_IND-_3: A3.8 R7_Diff2SE3.1 | length 2118.6
  Top Layer w10: A3.8@1650.08,2642.13 1650.01,2642.06 1613.22,2642.06 1607.36,2647.91 1607.36,2694.64 1967,3054.28 1967,3223 2026,3282 2933.14,3282 2940,3275.14 2940,3257.05 2942,3255.05 2942,3062.91 2850,2970.91 R7_Diff2SE3.1@2850,2965